# KiCad board haptic display 8x8 aisler.kicad_pcb (continued)
## Routing (per net, layer and track width the routed paths; a pad name or vN(x,y) marks a point on that pad's centre or on a via; arc(x,y) is an arc through that point) (continued)
32.95,68.55 33.22,68.69 33.51,68.81 33.8,68.91 34.09,68.98 34.39,69.04 34.7,69.07 35,69.08 35.3,69.06 35.61,69.02 35.9,68.96 36.2,68.88 36.48,68.78 36.76,68.66 37.03,68.51 37.28,68.35 37.52,68.17 37.75,67.97 37.96,67.75 38.16,67.52 38.33,67.27 38.49,67.02 38.63,66.75 38.75,66.47 38.85,66.19 38.92,65.89 38.97,65.6 39,65.3 39.01,65 39,64.7 38.96,64.4 38.9,64.11 38.82,63.82 38.72,63.54 38.6,63.27 38.46,63 38.3,62.75 38.12,62.51 37.92,62.29 37.71,62.08 37.48,61.89 37.24,61.72 36.99,61.56 36.72,61.43 36.45,61.31 36.17,61.21 35.88,61.14 35.59,61.09 35.3,61.06 35,61.05 34.69,61.07 34.38,61.1 34.08,61.17 33.78,61.26 33.49,61.37 33.22,61.5 32.95,61.65 32.69,61.82 32.45,62.02 32.23,62.23 32.02,62.46 31.83,62.7 31.67,62.96 31.52,63.23 31.39,63.51 31.29,63.79 31.21,64.09 31.15,64.39 31.12,64.69 31.11,65 31.13,65.3 31.17,65.61 31.23,65.91 31.31,66.2 31.42,66.48 31.55,66.76 31.7,67.02 31.88,67.27 32.07,67.51 32.27,67.73 32.5,67.93 32.74,68.11 32.99,68.28 33.25,68.42 33.53,68.55 33.81,68.65 34.1,68.73 34.4,68.78 34.7,68.82 35,68.83 35.3,68.81 35.6,68.77 35.89,68.71 36.18,68.63 36.46,68.52 36.73,68.39 36.99,68.24 37.23,68.07 37.47,67.89 37.68,67.68 37.88,67.46 38.06,67.23 38.23,66.98 38.37,66.72 38.49,66.45 38.59,66.17 38.67,65.88 38.72,65.59 38.75,65.3 38.76,65 38.75,64.71 38.71,64.41 38.65,64.12 38.57,63.84 38.46,63.57 38.34,63.3 38.19,63.05 38.02,62.8 37.84,62.57 37.64,62.36 37.42,62.17 37.19,61.99 36.94,61.83 36.69,61.69 36.42,61.57 36.15,61.47 35.87,61.39 35.58,61.34 35.29,61.31 35,61.3 34.69,61.32 34.39,61.36 34.09,61.42 33.8,61.51 33.52,61.63 33.25,61.76 32.99,61.92 32.74,62.1 32.51,62.3 32.3,62.52 32.11,62.75 31.94,63 31.78,63.26 31.65,63.53 31.55,63.81 31.46,64.1 31.41,64.4 31.37,64.7 31.36,65 31.38,65.3 31.42,65.6 31.48,65.89 31.57,66.18 31.68,66.45 31.82,66.72 31.97,66.98 32.15,67.22 32.35,67.44 32.56,67.65 32.79,67.84 33.03,68.01 33.29,68.16 33.56,68.29 33.83,68.39 34.12,68.48 34.41,68.53 34.7,68.57 35,68.58 35.29,68.56 35.59,68.52 35.88,68.46 36.16,68.37 36.43,68.26 36.69,68.13 36.94,67.97 37.18,67.8 37.4,67.61 37.61,67.4 37.79,67.17 37.96,66.93 38.11,66.68 38.23,66.42 38.33,66.14 38.41,65.86 38.47,65.58 38.5,65.29 38.51,65 38.5,64.71 38.46,64.42 38.4,64.14 38.31,63.86 38.2,63.6 38.07,63.34 37.92,63.09 37.75,62.86 37.56,62.64 37.36,62.44 37.14,62.26 36.9,62.09 36.65,61.95 36.39,61.83 36.12,61.72 35.85,61.65 35.57,61.59 35.29,61.56 35,61.55 34.7,61.57 34.4,61.61 34.11,61.68 33.82,61.77 33.55,61.89 33.29,62.03 33.04,62.19 32.8,62.38 32.58,62.58 32.38,62.8 32.21,63.04 32.05,63.3 31.91,63.56 31.8,63.84 31.72,64.12 31.66,64.41 31.62,64.7 31.61,65 31.63,65.29 31.67,65.59 31.74,65.87 31.83,66.15 31.95,66.42 32.08,66.68 32.25,66.93 32.43,67.16 32.63,67.37 32.84,67.57 33.08,67.74 33.33,67.9 33.59,68.03 33.86,68.14 34.14,68.22 34.42,68.28 34.71,68.32 35,68.33 35.29,68.31 35.58,68.27 35.86,68.2 36.13,68.11 36.4,68 36.65,67.86 36.89,67.7 37.12,67.53 37.33,67.33 37.52,67.11 37.69,66.89 37.84,66.64 37.97,66.39 38.08,66.12 38.16,65.85 38.22,65.57 38.25,65.28 38.26,65 38.25,64.72 38.21,64.43 38.14,64.16 38.05,63.89 37.94,63.63 37.81,63.38 37.65,63.14 37.48,62.92 37.28,62.72 37.07,62.53 36.85,62.36 36.61,62.21 36.36,62.08 36.1,61.98 35.83,61.9 35.56,61.84 35.28,61.81 35,61.8 34.71,61.82 34.41,61.86 34.13,61.93 33.85,62.03 33.58,62.15 33.33,62.3 33.09,62.47 32.86,62.66 32.66,62.87 32.48,63.09 32.31,63.34 32.17,63.59 32.06,63.86 31.97,64.14 31.91,64.42 31.87,64.71 31.86,65 31.88,65.29 31.92,65.58 31.99,65.86 32.09,66.13 32.21,66.39 32.35,66.64 32.52,66.88 32.7,67.09 32.91,67.29 33.13,67.47 33.37,67.63 33.62,67.77 33.88,67.88 34.16,67.97 34.43,68.03 34.72,68.07 35,68.08 35.28,68.06 35.56,68.02 35.84,67.95 36.11,67.85 36.36,67.74 36.61,67.6 36.84,67.43 37.05,67.25 37.25,67.05 37.42,66.83 37.58,66.6 37.71,66.35 37.82,66.09 37.91,65.83 37.97,65.55 38,65.28 38.01,65 38,64.72 37.95,64.45 37.89,64.18 37.8,63.92 37.68,63.67 37.54,63.43 37.38,63.2 37.2,62.99 37.01,62.8 36.79,62.63 36.56,62.47 36.32,62.34 36.07,62.24 35.81,62.15 35.54,62.09 35.27,62.06 35,62.05 34.71,62.07 34.43,62.11 34.15,62.19 33.88,62.29 33.62,62.42 33.37,62.57 33.15,62.74 32.94,62.94 32.75,63.15 32.58,63.38 32.44,63.63 32.32,63.89 32.23,64.16 32.16,64.44 32.12,64.72 32.11,65 32.13,65.28 32.18,65.56 32.25,65.83 32.35,66.1 32.47,66.35 32.62,66.59 32.79,66.81 32.98,67.02 33.19,67.2 33.42,67.37 33.66,67.51 33.91,67.62 34.18,67.71 34.45,67.78 34.72,67.82 35,67.83 35.28,67.81 35.55,67.76 35.82,67.69 36.08,67.6 36.32,67.47 36.56,67.33 36.77,67.16 36.98,66.98 37.16,66.77 37.32,66.55 37.45,66.31 37.57,66.06 37.65,65.81 37.72,65.54 37.75,65.27 37.76,65 37.75,64.73 37.7,64.46 37.63,64.2 37.54,63.95 37.42,63.71 37.28,63.48 37.11,63.26 36.93,63.07 36.73,62.89 36.51,62.74 36.28,62.6 36.04,62.49 35.79,62.41 35.53,62.34 35.27,62.31 35,62.3 34.72,62.32 34.44,62.37 34.17,62.44 33.91,62.55 33.66,62.68 33.43,62.84 33.21,63.02 33.02,63.22 32.85,63.44 32.7,63.67 32.58,63.92 32.48,64.18 32.41,64.45 32.37,64.72 32.36,65 32.38,65.28 32.43,65.55 32.5,65.81 32.61,66.07 32.73,66.31 32.89,66.54 33.06,66.75 33.26,66.94 33.47,67.1 33.7,67.25 33.95,67.37 34.2,67.46 34.46,67.53 34.73,67.57 35,67.58 35.27,67.56 35.53,67.51 35.79,67.44 36.04,67.34 36.28,67.21 36.5,67.06 36.7,66.89 36.89,66.7 37.05,66.49 37.19,66.27 37.31,66.03 37.4,65.78 37.47,65.52 37.5,65.26 37.51,65 37.49,64.74 37.45,64.48 37.38,64.23 37.28,63.98 37.16,63.75 37.01,63.54 36.85,63.34 36.66,63.16 36.45,63 36.24,62.86 36,62.75 35.76,62.66 35.51,62.6 35.26,62.56 35,62.55 34.73,62.57 34.46,62.62 34.2,62.7 33.94,62.81 33.71,62.94 33.49,63.11 33.29,63.29 33.11,63.49 32.96,63.72 32.83,63.96 32.73,64.21 32.66,64.47 32.62,64.73 32.61,65 32.63,65.27 32.68,65.53 32.76,65.78 32.87,66.03 33,66.26 33.15,66.47 33.33,66.67 33.53,66.84 33.75,66.99 33.98,67.11 34.23,67.21 34.48,67.28 34.74,67.31 35,67.33 35.26,67.31 35.52,67.26 35.76,67.18 36,67.08 36.23,66.95 36.43,66.8 36.62,66.62 36.79,66.43 36.93,66.22 37.05,65.99 37.15,65.75 37.21,65.51 37.25,65.25 37.26,65 37.24,64.75 37.2,64.5 37.12,64.26 37.02,64.03 36.9,63.81 36.75,63.61 36.58,63.42 36.39,63.26 36.18,63.12 35.96,63 35.73,62.91 35.49,62.85 35.25,62.81 35,62.8 34.74,62.82 34.48,62.87 34.22,62.96 33.99,63.07 33.76,63.21 33.56,63.37 33.38,63.56 33.22,63.77 33.09,64 32.99,64.24 32.92,64.49 32.87,64.74 32.86,65 32.88,65.26 32.93,65.51 33.01,65.75 33.12,65.98 33.26,66.2 33.42,66.4 33.6,66.57 33.81,66.73 34.03,66.85 34.26,66.95 34.5,67.02 34.75,67.06 35,67.08 35.25,67.06 35.49,67.01 35.73,66.93 35.96,66.82 36.17,66.69 36.36,66.53 36.53,66.35 36.68,66.16 36.8,65.94 36.9,65.72 36.96,65.48 37,65.24 37.01,65 36.99,64.76 36.94,64.52 36.87,64.29 36.76,64.07 36.64,63.87 36.48,63.68 36.31,63.52 36.12,63.38 35.92,63.26 35.7,63.16 35.47,63.1 35.24,63.06 35,63.05 34.75,63.07 34.5,63.13 34.26,63.21 34.04,63.33 33.83,63.47 33.64,63.64 33.48,63.84 33.35,64.05 33.24,64.27 33.17,64.51 33.12,64.75 33.11,65 33.13,65.25 33.19,65.49 33.27,65.72 33.38,65.93 33.52,66.13 33.69,66.31 33.87,66.47 34.08,66.6 34.3,66.7 34.52,66.77 34.76,66.81 35,66.83 35.24,66.8 35.47,66.75 35.69,66.67 35.9,66.56 36.1,66.43 36.27,66.27 36.42,66.09 36.54,65.89 36.64,65.68 36.71,65.46 36.75,65.23 36.76,65 36.74,64.77 36.69,64.55 36.61,64.33 36.51,64.13 36.38,63.94 36.22,63.78 36.05,63.63 35.86,63.51 35.66,63.41 35.44,63.35 35.22,63.31 35,63.3 34.76,63.32 34.52,63.38 34.3,63.47 34.09,63.59 33.91,63.74 33.74,63.91 33.6,64.1 33.49,64.31 33.42,64.54 33.37,64.77 33.36,65 33.38,65.23 33.44,65.46 33.53,65.67 33.64,65.87 33.78,66.05 33.95,66.21 34.14,66.34 34.34,66.45 34.55,66.52 34.78,66.56 35,66.58 35.22,66.55 35.44,66.5 35.65,66.42 35.84,66.31 36.01,66.17 36.16,66.01 36.29,65.83 36.39,65.64 36.46,65.43 36.5,65.22 36.51,65 36.49,64.79 36.44,64.58 36.36,64.38 36.25,64.19 36.12,64.03 35.97,63.88 35.8,63.76 35.61,63.67 35.41,63.6 35.21,63.56 35,63.55 35,63.6 34.63,63.97 34.59,63.98 ; v1(35.35,45) 35,45.35 35,45.55 34.68,45.56 34.37,45.6 34.06,45.66 33.75,45.74 33.45,45.84 33.16,45.97 32.88,46.11 32.61,46.28 32.35,46.46 32.1,46.66 31.88,46.88 31.66,47.11 31.47,47.36 31.29,47.62 31.13,47.89 30.99,48.17 30.88,48.46 30.78,48.76 30.7,49.07 30.65,49.37 30.62,49.69 30.61,50 30.63,50.31 30.66,50.62 30.72,50.93 30.8,51.23 30.9,51.53 31.02,51.82 31.17,52.09 31.33,52.36 31.51,52.61 31.71,52.85 31.92,53.08 32.15,53.29 32.39,53.48 32.65,53.66 32.92,53.81 33.2,53.95 33.48,54.07 33.78,54.16 34.08,54.23 34.38,54.29 34.69,54.32 35,54.33 35.31,54.31 35.61,54.28 35.92,54.22 36.22,54.14 36.51,54.04 36.79,53.92 37.06,53.78 37.33,53.62 37.58,53.44 37.81,53.25 38.04,53.04 38.24,52.81 38.43,52.57 38.6,52.32 38.76,52.05 38.89,51.78 39.01,51.49 39.1,51.2 39.17,50.91 39.22,50.61 39.25,50.3 39.26,50 39.25,49.7 39.21,49.39 39.16,49.1 39.08,48.8 38.98,48.52 38.86,48.24 38.72,47.97 38.57,47.71 38.39,47.46 38.2,47.23 37.99,47.01 37.77,46.8 37.53,46.62 37.28,46.45 37.02,46.3 36.75,46.16 36.47,46.05 36.19,45.96 35.89,45.89 35.6,45.84 35.3,45.81 35,45.8 34.69,45.81 34.37,45.85 34.07,45.91 33.77,46 33.47,46.1 33.19,46.23 32.91,46.38 32.65,46.55 32.4,46.74 32.16,46.94 31.95,47.17 31.74,47.4 31.56,47.66 31.4,47.92 31.26,48.2 31.13,48.48 31.03,48.78 30.96,49.08 30.9,49.38 30.87,49.69 30.86,50 30.88,50.31 30.91,50.62 30.97,50.92 31.06,51.22 31.16,51.51 31.29,51.79 31.43,52.06 31.6,52.32 31.79,52.56 31.99,52.79 32.21,53.01 32.44,53.21 32.69,53.39 32.95,53.55 33.22,53.69 33.51,53.81 33.8,53.91 34.09,53.98 34.39,54.04 34.7,54.07 35,54.08 35.3,54.06 35.61,54.02 35.9,53.96 36.2,53.88 36.48,53.78 36.76,53.66 37.03,53.51 37.28,53.35 37.52,53.17 37.75,52.97 37.96,52.75 38.16,52.52 38.33,52.27 38.49,52.02 38.63,51.75 38.75,51.47 38.85,51.19 38.92,50.89 38.97,50.6 39,50.3 39.01,50 39,49.7 38.96,49.4 38.9,49.11 38.82,48.82 38.72,48.54 38.6,48.27 38.46,48 38.3,47.75 38.12,47.51 37.92,47.29 37.71,47.08 37.48,46.89 37.24,46.72 36.99,46.56 36.72,46.43 36.45,46.31 36.17,46.21 35.88,46.14 35.59,46.09 35.3,46.06 35,46.05 34.69,46.07 34.38,46.1 34.08,46.17 33.78,46.26 33.49,46.37 33.22,46.5 32.95,46.65 32.69,46.82 32.45,47.02 32.23,47.23 32.02,47.46 31.83,47.7 31.67,47.96 31.52,48.23 31.39,48.51 31.29,48.79 31.21,49.09 31.15,49.39 31.12,49.69 31.11,50 31.13,50.3 31.17,50.61 31.23,50.91 31.31,51.2 31.42,51.48 31.55,51.76 31.7,52.02 31.88,52.27 32.07,52.51 32.27,52.73 32.5,52.93 32.74,53.11 32.99,53.28 33.25,53.42 33.53,53.55 33.81,53.65 34.1,53.73 34.4,53.78 34.7,53.82 35,53.83 35.3,53.81 35.6,53.77 35.89,53.71 36.18,53.63 36.46,53.52 36.73,53.39 36.99,53.24 37.23,53.07 37.47,52.89 37.68,52.68 37.88,52.46 38.06,52.23 38.23,51.98 38.37,51.72 38.49,51.45 38.59,51.17 38.67,50.88 38.72,50.59 38.75,50.3 38.76,50 38.75,49.71 38.71,49.41 38.65,49.12 38.57,48.84 38.46,48.57 38.34,48.3 38.19,48.05 38.02,47.8 37.84,47.57 37.64,47.36 37.42,47.17 37.19,46.99 36.94,46.83 36.69,46.69 36.42,46.57 36.15,46.47 35.87,46.39 35.58,46.34 35.29,46.31 35,46.3 34.69,46.32 34.39,46.36 34.09,46.42 33.8,46.51 33.52,46.63 33.25,46.76 32.99,46.92 32.74,47.1 32.51,47.3 32.3,47.52 32.11,47.75 31.94,48 31.78,48.26 31.65,48.53 31.55,48.81 31.46,49.1 31.41,49.4 31.37,49.7 31.36,50 31.38,50.3 31.42,50.6 31.48,50.89 31.57,51.18 31.68,51.45 31.82,51.72 31.97,51.98 32.15,52.22 32.35,52.44 32.56,52.65 32.79,52.84 33.03,53.01 33.29,53.16 33.56,53.29 33.83,53.39 34.12,53.48 34.41,53.53 34.7,53.57 35,53.58 35.29,53.56 35.59,53.52 35.88,53.46 36.16,53.37 36.43,53.26 36.69,53.13 36.94,52.97 37.18,52.8 37.4,52.61 37.61,52.4 37.79,52.17 37.96,51.93 38.11,51.68 38.23,51.42 38.33,51.14 38.41,50.86 38.47,50.58 38.5,50.29 38.51,50 38.5,49.71 38.46,49.42 38.4,49.14 38.31,48.86 38.2,48.6 38.07,48.34 37.92,48.09 37.75,47.86 37.56,47.64 37.36,47.44 37.14,47.26 36.9,47.09 36.65,46.95 36.39,46.83 36.12,46.72 35.85,46.65 35.57,46.59 35.29,46.56 35,46.55 34.7,46.57 34.4,46.61 34.11,46.68 33.82,46.77 33.55,46.89 33.29,47.03 33.04,47.19 32.8,47.38 32.58,47.58 32.38,47.8 32.21,48.04 32.05,48.3 31.91,48.56 31.8,48.84 31.72,49.12 31.66,49.41 31.62,49.7 31.61,50 31.63,50.29 31.67,50.59 31.74,50.87 31.83,51.15 31.95,51.42 32.08,51.68 32.25,51.93 32.43,52.16 32.63,52.37 32.84,52.57 33.08,52.74 33.33,52.9 33.59,53.03 33.86,53.14 34.14,53.22 34.42,53.28 34.71,53.32 35,53.33 35.29,53.31 35.58,53.27 35.86,53.2 36.13,53.11 36.4,53 36.65,52.86 36.89,52.7 37.12,52.53 37.33,52.33 37.52,52.11 37.69,51.89 37.84,51.64 37.97,51.39 38.08,51.12 38.16,50.85 38.22,50.57 38.25,50.28 38.26,50 38.25,49.72 38.21,49.43 38.14,49.16 38.05,48.89 37.94,48.63 37.81,48.38 37.65,48.14 37.48,47.92 37.28,47.72 37.07,47.53 36.85,47.36 36.61,47.21 36.36,47.08 36.1,46.98 35.83,46.9 35.56,46.84 35.28,46.81 35,46.8 34.71,46.82 34.41,46.86 34.13,46.93 33.85,47.03 33.58,47.15 33.33,47.3 33.09,47.47 32.86,47.66 32.66,47.87 32.48,48.09 32.31,48.34 32.17,48.59 32.06,48.86 31.97,49.14 31.91,49.42 31.87,49.71 31.86,50 31.88,50.29 31.92,50.58 31.99,50.86 32.09,51.13 32.21,51.39 32.35,51.64 32.52,51.88 32.7,52.09 32.91,52.29 33.13,52.47 33.37,52.63 33.62,52.77 33.88,52.88 34.16,52.97 34.43,53.03 34.72,53.07 35,53.08 35.28,53.06 35.56,53.02 35.84,52.95 36.11,52.85 36.36,52.74 36.61,52.6 36.84,52.43 37.05,52.25 37.25,52.05 37.42,51.83 37.58,51.6 37.71,51.35 37.82,51.09 37.91,50.83 37.97,50.55 38,50.28 38.01,50 38,49.72 37.95,49.45 37.89,49.18 37.8,48.92 37.68,48.67 37.54,48.43 37.38,48.2 37.2,47.99 37.01,47.8 36.79,47.63 36.56,47.47 36.32,47.34 36.07,47.24 35.81,47.15 35.54,47.09 35.27,47.06 35,47.05 34.71,47.07 34.43,47.11 34.15,47.19 33.88,47.29 33.62,47.42 33.37,47.57 33.15,47.74 32.94,47.94 32.75,48.15 32.58,48.38 32.44,48.63 32.32,48.89 32.23,49.16 32.16,49.44 32.12,49.72 32.11,50 32.13,50.28 32.18,50.56 32.25,50.83 32.35,51.1 32.47,51.35 32.62,51.59 32.79,51.81 32.98,52.02 33.19,52.2 33.42,52.37 33.66,52.51 33.91,52.62 34.18,52.71 34.45,52.78 34.72,52.82 35,52.83 35.28,52.81 35.55,52.76 35.82,52.69 36.08,52.6 36.32,52.47 36.56,52.33 36.77,52.16 36.98,51.98 37.16,51.77 37.32,51.55 37.45,51.31 37.57,51.06 37.65,50.81 37.72,50.54 37.75,50.27 37.76,50 37.75,49.73 37.7,49.46 37.63,49.2 37.54,48.95 37.42,48.71 37.28,48.48 37.11,48.26 36.93,48.07 36.73,47.89 36.51,47.74 36.28,47.6 36.04,47.49 35.79,47.41 35.53,47.34 35.27,47.31 35,47.3 34.72,47.32 34.44,47.37 34.17,47.44 33.91,47.55 33.66,47.68 33.43,47.84 33.21,48.02 33.02,48.22 32.85,48.44 32.7,48.67 32.58,48.92 32.48,49.18 32.41,49.45 32.37,49.72 32.36,50 32.38,50.28 32.43,50.55 32.5,50.81 32.61,51.07 32.73,51.31 32.89,51.54 33.06,51.75 33.26,51.94 33.47,52.1 33.7,52.25 33.95,52.37 34.2,52.46 34.46,52.53 34.73,52.57 35,52.58 35.27,52.56 35.53,52.51 35.79,52.44 36.04,52.34 36.28,52.21 36.5,52.06 36.7,51.89 36.89,51.7 37.05,51.49 37.19,51.27 37.31,51.03 37.4,50.78 37.47,50.52 37.5,50.26 37.51,50 37.49,49.74 37.45,49.48 37.38,49.23 37.28,48.98 37.16,48.75 37.01,48.54 36.85,48.34 36.66,48.16 36.45,48 36.24,47.86 36,47.75 35.76,47.66 35.51,47.6 35.26,47.56 35,47.55 34.73,47.57 34.46,47.62 34.2,47.7 33.94,47.81 33.71,47.94 33.49,48.11 33.29,48.29 33.11,48.49 32.96,48.72 32.83,48.96 32.73,49.21 32.66,49.47 32.62,49.73 32.61,50 32.63,50.27 32.68,50.53 32.76,50.78 32.87,51.03 33,51.26 33.15,51.47 33.33,51.67 33.53,51.84 33.75,51.99 33.98,52.11 34.23,52.21 34.48,52.28 34.74,52.31 35,52.33 35.26,52.31 35.52,52.26 35.76,52.18 36,52.08 36.23,51.95 36.43,51.8 36.62,51.62 36.79,51.43 36.93,51.22 37.05,50.99 37.15,50.75 37.21,50.51 37.25,50.25 37.26,50 37.24,49.75 37.2,49.5 37.12,49.26 37.02,49.03 36.9,48.81 36.75,48.61 36.58,48.42 36.39,48.26 36.18,48.12 35.96,48 35.73,47.91 35.49,47.85 35.25,47.81 35,47.8 34.74,47.82 34.48,47.87 34.22,47.96 33.99,48.07 33.76,48.21 33.56,48.37 33.38,48.56 33.22,48.77 33.09,49 32.99,49.24 32.92,49.49 32.87,49.74 32.86,50 32.88,50.26 32.93,50.51 33.01,50.75 33.12,50.98 33.26,51.2 33.42,51.4 33.6,51.57 33.81,51.73 34.03,51.85 34.26,51.95 34.5,52.02 34.75,52.06 35,52.08 35.25,52.06 35.49,52.01 35.73,51.93 35.96,51.82 36.17,51.69 36.36,51.53 36.53,51.35 36.68,51.16 36.8,50.94 36.9,50.72 36.96,50.48 37,50.24 37.01,50 36.99,49.76 36.94,49.52 36.87,49.29 36.76,49.07 36.64,48.87 36.48,48.68 36.31,48.52 36.12,48.38 35.92,48.26 35.7,48.16 35.47,48.1 35.24,48.06 35,48.05 34.75,48.07 34.5,48.13 34.26,48.21 34.04,48.33 33.83,48.47 33.64,48.64 33.48,48.84 33.35,49.05 33.24,49.27 33.17,49.51 33.12,49.75 33.11,50 33.13,50.25 33.19,50.49 33.27,50.72 33.38,50.93 33.52,51.13 33.69,51.31 33.87,51.47 34.08,51.6 34.3,51.7 34.52,51.77 34.76,51.81 35,51.83 35.24,51.8 35.47,51.75 35.69,51.67 35.9,51.56 36.1,51.43 36.27,51.27 36.42,51.09 36.54,50.89 36.64,50.68 36.71,50.46 36.75,50.23 36.76,50 36.74,49.77 36.69,49.55 36.61,49.33 36.51,49.13 36.38,48.94 36.22,48.78 36.05,48.63 35.86,48.51 35.66,48.41 35.44,48.35 35.22,48.31 35,48.3 34.76,48.32 34.52,48.38 34.3,48.47 34.09,48.59 33.91,48.74 33.74,48.91 33.6,49.1 33.49,49.31 33.42,49.54 33.37,49.77 33.36,50 33.38,50.23 33.44,50.46 33.53,50.67 33.64,50.87 33.78,51.05 33.95,51.21 34.14,51.34 34.34,51.45 34.55,51.52 34.78,51.56 35,51.58 35.22,51.55 35.44,51.5 35.65,51.42 35.84,51.31 36.01,51.17 36.16,51.01 36.29,50.83 36.39,50.64 36.46,50.43 36.5,50.22 36.51,50 36.49,49.79 36.44,49.58 36.36,49.38 36.25,49.19 36.12,49.03 35.97,48.88 35.8,48.76 35.61,48.67 35.41,48.6 35.21,48.56 35,48.55 35,48.6 34.63,48.97 34.59,48.98 ; v1(35.35,30) 35,30.35 35,30.55 34.68,30.56 34.37,30.6 34.06,30.66 33.75,30.74 33.45,30.84 33.16,30.97 32.88,31.11 32.61,31.28 32.35,31.46 32.1,31.66 31.88,31.88 31.66,32.11 31.47,32.36 31.29,32.62 31.13,32.89 30.99,33.17 30.88,33.46 30.78,33.76 30.7,34.07 30.65,34.37 30.62,34.69 30.61,35 30.63,35.31 30.66,35.62 30.72,35.93 30.8,36.23 30.9,36.53 31.02,36.82 31.17,37.09 31.33,37.36 31.51,37.61 31.71,37.85 31.92,38.08 32.15,38.29 32.39,38.48 32.65,38.66 32.92,38.81 33.2,38.95 33.48,39.07 33.78,39.16 34.08,39.23 34.38,39.29 34.69,39.32 35,39.32 35.31,39.31 35.61,39.28 35.92,39.22 36.22,39.14 36.51,39.04 36.79,38.92 37.06,38.78 37.33,38.62 37.58,38.44 37.81,38.25 38.04,38.04 38.24,37.81 38.43,37.57 38.6,37.32 38.76,37.05 38.89,36.78 39.01,36.49 39.1,36.2 39.17,35.91 39.22,35.61 39.25,35.3 39.26,35 39.25,34.7 39.21,34.39 39.16,34.1 39.08,33.8 38.98,33.52 38.86,33.24 38.72,32.97 38.57,32.71 38.39,32.46 38.2,32.23 37.99,32.01 37.77,31.8 37.53,31.62 37.28,31.45 37.02,31.3 36.75,31.16 36.47,31.05 36.19,30.96 35.89,30.89 35.6,30.84 35.3,30.81 35,30.8 34.69,30.81 34.37,30.85 34.07,30.91 33.77,31 33.47,31.1 33.19,31.23 32.91,31.38 32.65,31.55 32.4,31.74 32.16,31.94 31.95,32.17 31.74,32.4 31.56,32.66 31.4,32.92 31.26,33.2 31.13,33.48 31.03,33.78 30.96,34.08 30.9,34.38 30.87,34.69 30.86,35 30.88,35.31 30.91,35.62 30.97,35.92 31.06,36.22 31.16,36.51 31.29,36.79 31.43,37.06 31.6,37.32 31.79,37.56 31.99,37.79 32.21,38.01 32.44,38.21 32.69,38.39 32.95,38.55 33.22,38.69 33.51,38.81 33.8,38.91 34.09,38.98 34.39,39.04 34.7,39.07 35,39.07 35.3,39.06 35.61,39.02 35.9,38.96 36.2,38.88 36.48,38.78 36.76,38.66 37.03,38.51 37.28,38.35 37.52,38.17 37.75,37.97 37.96,37.75 38.16,37.52 38.33,37.27 38.49,37.02 38.63,36.75 38.75,36.47 38.85,36.19 38.92,35.89 38.97,35.6 39,35.3 39.01,35 39,34.7 38.96,34.4 38.9,34.11 38.82,33.82 38.72,33.54 38.6,33.27 38.46,33 38.3,32.75 38.12,32.51 37.92,32.29 37.71,32.08 37.48,31.89 37.24,31.72 36.99,31.56 36.72,31.43 36.45,31.31 36.17,31.21 35.88,31.14 35.59,31.09 35.3,31.06 35,31.05 34.69,31.07 34.38,31.1 34.08,31.17 33.78,31.26 33.49,31.37 33.22,31.5 32.95,31.65 32.69,31.82 32.45,32.02 32.23,32.23 32.02,32.46 31.83,32.7 31.67,32.96 31.52,33.23 31.39,33.51 31.29,33.79 31.21,34.09 31.15,34.39 31.12,34.69 31.11,35 31.13,35.3 31.17,35.61 31.23,35.91 31.31,36.2 31.42,36.48 31.55,36.76 31.7,37.02 31.88,37.27 32.07,37.51 32.27,37.73 32.5,37.93 32.74,38.11 32.99,38.28 33.25,38.42 33.53,38.55 33.81,38.65 34.1,38.73 34.4,38.78 34.7,38.82 35,38.82 35.3,38.81 35.6,38.77 35.89,38.71 36.18,38.63 36.46,38.52 36.73,38.39 36.99,38.24 37.23,38.07 37.47,37.89 37.68,37.68 37.88,37.46 38.06,37.23 38.23,36.98 38.37,36.72 38.49,36.45 38.59,36.17 38.67,35.88 38.72,35.59 38.75,35.3 38.76,35 38.75,34.71 38.71,34.41 38.65,34.12 38.57,33.84 38.46,33.57 38.34,33.3 38.19,33.05 38.02,32.8 37.84,32.57 37.64,32.36 37.42,32.17 37.19,31.99 36.94,31.83 36.69,31.69 36.42,31.57 36.15,31.47 35.87,31.39 35.58,31.34 35.29,31.31 35,31.3 34.69,31.32 34.39,31.36 34.09,31.42 33.8,31.51 33.52,31.63 33.25,31.76 32.99,31.92 32.74,32.1 32.51,32.3 32.3,32.52 32.11,32.75 31.94,33 31.78,33.26 31.65,33.53 31.55,33.81 31.46,34.1 31.41,34.4 31.37,34.7 31.36,35 31.38,35.3 31.42,35.6 31.48,35.89 31.57,36.18 31.68,36.45 31.82,36.72 31.97,36.98 32.15,37.22 32.35,37.44 32.56,37.65 32.79,37.84 33.03,38.01 33.29,38.16 33.56,38.29 33.83,38.39 34.12,38.48 34.41,38.53 34.7,38.57 35,38.57 35.29,38.56 35.59,38.52 35.88,38.46 36.16,38.37 36.43,38.26 36.69,38.13 36.94,37.97 37.18,37.8 37.4,37.61 37.61,37.4 37.79,37.17 37.96,36.93 38.11,36.68 38.23,36.42 38.33,36.14 38.41,35.86 38.47,35.58 38.5,35.29 38.51,35 38.5,34.71 38.46,34.42 38.4,34.14 38.31,33.86 38.2,33.6 38.07,33.34 37.92,33.09 37.75,32.86 37.56,32.64 37.36,32.44 37.14,32.26 36.9,32.09 36.65,31.95 36.39,31.83 36.12,31.72 35.85,31.65 35.57,31.59 35.29,31.56 35,31.55 34.7,31.57 34.4,31.61 34.11,31.68 33.82,31.77 33.55,31.89 33.29,32.03 33.04,32.19 32.8,32.38 32.58,32.58 32.38,32.8 32.21,33.04 32.05,33.3 31.91,33.56 31.8,33.84 31.72,34.12 31.66,34.41 31.62,34.7 31.61,35 31.63,35.29 31.67,35.59 31.74,35.87 31.83,36.15 31.95,36.42 32.08,36.68 32.25,36.93 32.43,37.16 32.63,37.37 32.84,37.57 33.08,37.74 33.33,37.9 33.59,38.03 33.86,38.14 34.14,38.22 34.42,38.28 34.71,38.32 35,38.32 35.29,38.31 35.58,38.27 35.86,38.2 36.13,38.11 36.4,38 36.65,37.86 36.89,37.7 37.12,37.53 37.33,37.33 37.52,37.11 37.69,36.89 37.84,36.64 37.97,36.39 38.08,36.12 38.16,35.85 38.22,35.57 38.25,35.28 38.26,35 38.25,34.72 38.21,34.43 38.14,34.16 38.05,33.89 37.94,33.63 37.81,33.38 37.65,33.14 37.48,32.92 37.28,32.72 37.07,32.53 36.85,32.36 36.61,32.21 36.36,32.08 36.1,31.98 35.83,31.9 35.56,31.84 35.28,31.81 35,31.8 34.71,31.82 34.41,31.86 34.13,31.93 33.85,32.03 33.58,32.15 33.33,32.3 33.09,32.47 32.86,32.66 32.66,32.87 32.48,33.09 32.31,33.34 32.17,33.59 32.06,33.86 31.97,34.14 31.91,34.42 31.87,34.71 31.86,35 31.88,35.29 31.92,35.58 31.99,35.86 32.09,36.13 32.21,36.39 32.35,36.64 32.52,36.88 32.7,37.09 32.91,37.29 33.13,37.47 33.37,37.63 33.62,37.77 33.88,37.88 34.16,37.97 34.43,38.03 34.72,38.07 35,38.07 35.28,38.06 35.56,38.02 35.84,37.95 36.11,37.85 36.36,37.74 36.61,37.6 36.84,37.43 37.05,37.25 37.25,37.05 37.42,36.83 37.58,36.6 37.71,36.35 37.82,36.09 37.91,35.83 37.97,35.55 38,35.28 38.01,35 38,34.72 37.95,34.45 37.89,34.18 37.8,33.92 37.68,33.67 37.54,33.43 37.38,33.2 37.2,32.99 37.01,32.8 36.79,32.63 36.56,32.47 36.32,32.34 36.07,32.24 35.81,32.15 35.54,32.09 35.27,32.06 35,32.05 34.71,32.07 34.43,32.11 34.15,32.19 33.88,32.29 33.62,32.42 33.37,32.57 33.15,32.74 32.94,32.94 32.75,33.15 32.58,33.38 32.44,33.63 32.32,33.89 32.23,34.16 32.16,34.44 32.12,34.72 32.11,35 32.13,35.28 32.18,35.56 32.25,35.83 32.35,36.1 32.47,36.35 32.62,36.59 32.79,36.81 32.98,37.02 33.19,37.2 33.42,37.37 33.66,37.51 33.91,37.62 34.18,37.71 34.45,37.78 34.72,37.82 35,37.82 35.28,37.81 35.55,37.76 35.82,37.69 36.08,37.6 36.32,37.47 36.56,37.33 36.77,37.16 36.98,36.98 37.16,36.77 37.32,36.55 37.45,36.31 37.57,36.06 37.65,35.81 37.72,35.54 37.75,35.27 37.76,35 37.75,34.73 37.7,34.46 37.63,34.2 37.54,33.95 37.42,33.71 37.28,33.48 37.11,33.26 36.93,33.07 36.73,32.89 36.51,32.74 36.28,32.6 36.04,32.49 35.79,32.41 35.53,32.34 35.27,32.31 35,32.3 34.72,32.32 34.44,32.37 34.17,32.44 33.91,32.55 33.66,32.68 33.43,32.84 33.21,33.02 33.02,33.22 32.85,33.44 32.7,33.67 32.58,33.92 32.48,34.18 32.41,34.45 32.37,34.72 32.36,35 32.38,35.28 32.43,35.55 32.5,35.81 32.61,36.07 32.73,36.31 32.89,36.54 33.06,36.75 33.26,36.94 33.47,37.1 33.7,37.25 33.95,37.37 34.2,37.46 34.46,37.53 34.73,37.57 35,37.57 35.27,37.56 35.53,37.51 35.79,37.44 36.04,37.34 36.28,37.21 36.5,37.06 36.7,36.89 36.89,36.7 37.05,36.49 37.19,36.27 37.31,36.03 37.4,35.78 37.47,35.52 37.5,35.26 37.51,35 37.49,34.74 37.45,34.48 37.38,34.23 37.28,33.98 37.16,33.75 37.01,33.54 36.85,33.34 36.66,33.16 36.45,33 36.24,32.86 36,32.75 35.76,32.66 35.51,32.6 35.26,32.56 35,32.55 34.73,32.57 34.46,32.62 34.2,32.7 33.94,32.81 33.71,32.94 33.49,33.11 33.29,33.29 33.11,33.49 32.96,33.72 32.83,33.96 32.73,34.21 32.66,34.47 32.62,34.73 32.61,35 32.63,35.27 32.68,35.53 32.76,35.78 32.87,36.03 33,36.26 33.15,36.47 33.33,36.67 33.53,36.84 33.75,36.99 33.98,37.11 34.23,37.21 34.48,37.28 34.74,37.31 35,37.32 35.26,37.31 35.52,37.26 35.76,37.18 36,37.08 36.23,36.95 36.43,36.8 36.62,36.62 36.79,36.43 36.93,36.22 37.05,35.99 37.15,35.75 37.21,35.51 37.25,35.25 37.26,35 37.24,34.75 37.2,34.5 37.12,34.26 37.02,34.03 36.9,33.81 36.75,33.61 36.58,33.42 36.39,33.26 36.18,33.12 35.96,33 35.73,32.91 35.49,32.85 35.25,32.81 35,32.8 34.74,32.82 34.48,32.87 34.22,32.96 33.99,33.07 33.76,33.21 33.56,33.37 33.38,33.56 33.22,33.77 33.09,34 32.99,34.24 32.92,34.49 32.87,34.74 32.86,35 32.88,35.26 32.93,35.51 33.01,35.75 33.12,35.98 33.26,36.2 33.42,36.4 33.6,36.57 33.81,36.73 34.03,36.85 34.26,36.95 34.5,37.02 34.75,37.06 35,37.07 35.25,37.06 35.49,37.01 35.73,36.93 35.96,36.82 36.17,36.69 36.36,36.53 36.53,36.35 36.68,36.16 36.8,35.94 36.9,35.72 36.96,35.48 37,35.24 37.01,35 36.99,34.76 36.94,34.52 36.87,34.29 36.76,34.07 36.64,33.87 36.48,33.68 36.31,33.52 36.12,33.38 35.92,33.26 35.7,33.16 35.47,33.1 35.24,33.06 35,33.05 34.75,33.07 34.5,33.13 34.26,33.21 34.04,33.33 33.83,33.47 33.64,33.64 33.48,33.84 33.35,34.05 33.24,34.27 33.17,34.51 33.12,34.75 33.11,35 33.13,35.25 33.19,35.49 33.27,35.72 33.38,35.93 33.52,36.13 33.69,36.31 33.87,36.47 34.08,36.6 34.3,36.7 34.52,36.77 34.76,36.81 35,36.82 35.24,36.8 35.47,36.75 35.69,36.67 35.9,36.56 36.1,36.43 36.27,36.27 36.42,36.09 36.54,35.89 36.64,35.68 36.71,35.46 36.75,35.23 36.76,35 36.74,34.77 36.69,34.55 36.61,34.33 36.51,34.13 36.38,33.94 36.22,33.78 36.05,33.63 35.86,33.51 35.66,33.41 35.44,33.35 35.22,33.31 35,33.3 34.76,33.32 34.52,33.38 34.3,33.47 34.09,33.59 33.91,33.74 33.74,33.91 33.6,34.1 33.49,34.31 33.42,34.54 33.37,34.77 33.36,35 33.38,35.23 33.44,35.46 33.53,35.67 33.64,35.87 33.78,36.05 33.95,36.21 34.14,36.34 34.34,36.45 34.55,36.52 34.78,36.56 35,36.57 35.22,36.55 35.44,36.5 35.65,36.42 35.84,36.31 36.01,36.17 36.16,36.01 36.29,35.83 36.39,35.64 36.46,35.43 36.5,35.22 36.51,35 36.49,34.79 36.44,34.58 36.36,34.38 36.25,34.19 36.12,34.03 35.97,33.88 35.8,33.76 35.61,33.67 35.41,33.6 35.21,33.56 35,33.55 35,33.6 34.63,33.97 34.59,33.98 ; v1(35.35,15) 35,15.35 35,15.55 34.68,15.56 34.37,15.6 34.06,15.66 33.75,15.74 33.45,15.84 33.16,15.97 32.88,16.11 32.61,16.28 32.35,16.46 32.1,16.66 31.88,16.88 31.66,17.11 31.47,17.36 31.29,17.62 31.13,17.89 30.99,18.17 30.88,18.46 30.78,18.76 30.7,19.07 30.65,19.37 30.62,19.69 30.61,20 30.63,20.31 30.66,20.62 30.72,20.93 30.8,21.23 30.9,21.53 31.02,21.82 31.17,22.09 31.33,22.36 31.51,22.61 31.71,22.85 31.92,23.08 32.15,23.29 32.39,23.48 32.65,23.66 32.92,23.81 33.2,23.95 33.48,24.07 33.78,24.16 34.08,24.23 34.38,24.29 34.69,24.32 35,24.32 35.31,24.31 35.61,24.28 35.92,24.22 36.22,24.14 36.51,24.04 36.79,23.92 37.06,23.78 37.33,23.62 37.58,23.44 37.81,23.25 38.04,23.04 38.24,22.81 38.43,22.57 38.6,22.32 38.76,22.05 38.89,21.78 39.01,21.49 39.1,21.2 39.17,20.91 39.22,20.61 39.25,20.3 39.26,20 39.25,19.7 39.21,19.39 39.16,19.1 39.08,18.8 38.98,18.52 38.86,18.24 38.72,17.97 38.57,17.71 38.39,17.46 38.2,17.23 37.99,17.01 37.77,16.8 37.53,16.62 37.28,16.45 37.02,16.3 36.75,16.16 36.47,16.05 36.19,15.96 35.89,15.89 35.6,15.84 35.3,15.81 35,15.8 34.69,15.81 34.37,15.85 34.07,15.91 33.77,16 33.47,16.1 33.19,16.23 32.91,16.38 32.65,16.55 32.4,16.74 32.16,16.94 31.95,17.17 31.74,17.4 31.56,17.66 31.4,17.92 31.26,18.2 31.13,18.48 31.03,18.78 30.96,19.08 30.9,19.38 30.87,19.69 30.86,20 30.88,20.31 30.91,20.62 30.97,20.92 31.06,21.22 31.16,21.51 31.29,21.79 31.43,22.06 31.6,22.32 31.79,22.56 31.99,22.79 32.21,23.01 32.44,23.21 32.69,23.39 32.95,23.55 33.22,23.69 33.51,23.81 33.8,23.91 34.09,23.98 34.39,24.04 34.7,24.07 35,24.07 35.3,24.06 35.61,24.02 35.9,23.96 36.2,23.88 36.48,23.78 36.76,23.66 37.03,23.51 37.28,23.35 37.52,23.17 37.75,22.97 37.96,22.75 38.16,22.52 38.33,22.27 38.49,22.02 38.63,21.75 38.75,21.47 38.85,21.19 38.92,20.89 38.97,20.6 39,20.3 39.01,20 39,19.7 38.96,19.4 38.9,19.11 38.82,18.82 38.72,18.54 38.6,18.27 38.46,18 38.3,17.75 38.12,17.51 37.92,17.29 37.71,17.08 37.48,16.89 37.24,16.72 36.99,16.56 36.72,16.43 36.45,16.31 36.17,16.21 35.88,16.14 35.59,16.09 35.3,16.06 35,16.05 34.69,16.07 34.38,16.1 34.08,16.17 33.78,16.26 33.49,16.37 33.22,16.5 32.95,16.65 32.69,16.82 32.45,17.02 32.23,17.23 32.02,17.46 31.83,17.7 31.67,17.96 31.52,18.23 31.39,18.51 31.29,18.79 31.21,19.09 31.15,19.39 31.12,19.69 31.11,20 31.13,20.3 31.17,20.61 31.23,20.91 31.31,21.2 31.42,21.48 31.55,21.76 31.7,22.02 31.88,22.27 32.07,22.51 32.27,22.73 32.5,22.93 32.74,23.11 32.99,23.28 33.25,23.42 33.53,23.55 33.81,23.65 34.1,23.73 34.4,23.78 34.7,23.82 35,23.82 35.3,23.81 35.6,23.77 35.89,23.71 36.18,23.63 36.46,23.52 36.73,23.39 36.99,23.24 37.23,23.07 37.47,22.89 37.68,22.68 37.88,22.46 38.06,22.23 38.23,21.98 38.37,21.72 38.49,21.45 38.59,21.17 38.67,20.88 38.72,20.59 38.75,20.3 38.76,20 38.75,19.71 38.71,19.41 38.65,19.12 38.57,18.84 38.46,18.57 38.34,18.3 38.19,18.05 38.02,17.8 37.84,17.57 37.64,17.36 37.42,17.17 37.19,16.99 36.94,16.83 36.69,16.69 36.42,16.57 36.15,16.47 35.87,16.39 35.58,16.34 35.29,16.31 35,16.3 34.69,16.32 34.39,16.36 34.09,16.42 33.8,16.51 33.52,16.63 33.25,16.76 32.99,16.92 32.74,17.1 32.51,17.3 32.3,17.52 32.11,17.75 31.94,18 31.78,18.26 31.65,18.53 31.55,18.81 31.46,19.1 31.41,19.4 31.37,19.7 31.36,20 31.38,20.3 31.42,20.6 31.48,20.89 31.57,21.18 31.68,21.45 31.82,21.72 31.97,21.98 32.15,22.22 32.35,22.44 32.56,22.65 32.79,22.84 33.03,23.01 33.29,23.16 33.56,23.29 33.83,23.39 34.12,23.48 34.41,23.53 34.7,23.57 35,23.57 35.29,23.56 35.59,23.52 35.88,23.46 36.16,23.37 36.43,23.26 36.69,23.13 36.94,22.97 37.18,22.8 37.4,22.61 37.61,22.4 37.79,22.17 37.96,21.93 38.11,21.68 38.23,21.42 38.33,21.14 38.41,20.86 38.47,20.58 38.5,20.29 38.51,20 38.5,19.71 38.46,19.42 38.4,19.14 38.31,18.86 38.2,18.6 38.07,18.34 37.92,18.09 37.75,17.86 37.56,17.64 37.36,17.44 37.14,17.26 36.9,17.09 36.65,16.95 36.39,16.83 36.12,16.72 35.85,16.65 35.57,16.59 35.29,16.56 35,16.55 34.7,16.57 34.4,16.61 34.11,16.68 33.82,16.77 33.55,16.89 33.29,17.03 33.04,17.19 32.8,17.38 32.58,17.58 32.38,17.8 32.21,18.04 32.05,18.3 31.91,18.56 31.8,18.84 31.72,19.12 31.66,19.41 31.62,19.7 31.61,20 31.63,20.29 31.67,20.59 31.74,20.87 31.83,21.15 31.95,21.42 32.08,21.68 32.25,21.93 32.43,22.16 32.63,22.37 32.84,22.57 33.08,22.74 33.33,22.9 33.59,23.03 33.86,23.14 34.14,23.22 34.42,23.28 34.71,23.32 35,23.32 35.29,23.31 35.58,23.27 35.86,23.2 36.13,23.11 36.4,23 36.65,22.86 36.89,22.7 37.12,22.53 37.33,22.33 37.52,22.11 37.69,21.89 37.84,21.64 37.97,21.39 38.08,21.12 38.16,20.85 38.22,20.57 38.25,20.28 38.26,20 38.25,19.72 38.21,19.43 38.14,19.16 38.05,18.89 37.94,18.63 37.81,18.38 37.65,18.14 37.48,17.92 37.28,17.72 37.07,17.53 36.85,17.36 36.61,17.21 36.36,17.08 36.1,16.98 35.83,16.9 35.56,16.84 35.28,16.81 35,16.8 34.71,16.82 34.41,16.86 34.13,16.93 33.85,17.03 33.58,17.15 33.33,17.3 33.09,17.47 32.86,17.66 32.66,17.87 32.48,18.09 32.31,18.34 32.17,18.59 32.06,18.86 31.97,19.14 31.91,19.42 31.87,19.71 31.86,20 31.88,20.29 31.92,20.58 31.99,20.86 32.09,21.13 32.21,21.39 32.35,21.64 32.52,21.88 32.7,22.09 32.91,22.29 33.13,22.47 33.37,22.63 33.62,22.77 33.88,22.88 34.16,22.97 34.43,23.03 34.72,23.07 35,23.07 35.28,23.06 35.56,23.02 35.84,22.95 36.11,22.85 36.36,22.74 36.61,22.6 36.84,22.43 37.05,22.25 37.25,22.05 37.42,21.83 37.58,21.6 37.71,21.35 37.82,21.09 37.91,20.83 37.97,20.55 38,20.28 38.01,20 38,19.72 37.95,19.45 37.89,19.18 37.8,18.92 37.68,18.67 37.54,18.43 37.38,18.2 37.2,17.99 37.01,17.8 36.79,17.63 36.56,17.47 36.32,17.34 36.07,17.24 35.81,17.15 35.54,17.09 35.27,17.06 35,17.05 34.71,17.07 34.43,17.11 34.15,17.19 33.88,17.29 33.62,17.42 33.37,17.57 33.15,17.74 32.94,17.94 32.75,18.15 32.58,18.38 32.44,18.63 32.32,18.89 32.23,19.16 32.16,19.44 32.12,19.72 32.11,20 32.13,20.28 32.18,20.56 32.25,20.83 32.35,21.1 32.47,21.35 32.62,21.59 32.79,21.81 32.98,22.02 33.19,22.2 33.42,22.37 33.66,22.51 33.91,22.62 34.18,22.71 34.45,22.78 34.72,22.82 35,22.82 35.28,22.81 35.55,22.76 35.82,22.69 36.08,22.6 36.32,22.47 36.56,22.33 36.77,22.16 36.98,21.98 37.16,21.77 37.32,21.55 37.45,21.31 37.57,21.06 37.65,20.81 37.72,20.54 37.75,20.27 37.76,20 37.75,19.73 37.7,19.46 37.63,19.2 37.54,18.95 37.42,18.71 37.28,18.48 37.11,18.26 36.93,18.07 36.73,17.89 36.51,17.74 36.28,17.6 36.04,17.49 35.79,17.41 35.53,17.34 35.27,17.31 35,17.3 34.72,17.32 34.44,17.37 34.17,17.44 33.91,17.55 33.66,17.68 33.43,17.84 33.21,18.02 33.02,18.22 32.85,18.44 32.7,18.67 32.58,18.92 32.48,19.18 32.41,19.45 32.37,19.72 32.36,20 32.38,20.28 32.43,20.55 32.5,20.81 32.61,21.07 32.73,21.31 32.89,21.54 33.06,21.75 33.26,21.94 33.47,22.1 33.7,22.25 33.95,22.37 34.2,22.46 34.46,22.53 34.73,22.57 35,22.57 35.27,22.56 35.53,22.51 35.79,22.44 36.04,22.34 36.28,22.21 36.5,22.06 36.7,21.89 36.89,21.7 37.05,21.49 37.19,21.27 37.31,21.03 37.4,20.78 37.47,20.52 37.5,20.26 37.51,20 37.49,19.74 37.45,19.48 37.38,19.23 37.28,18.98 37.16,18.75 37.01,18.54 36.85,18.34 36.66,18.16 36.45,18 36.24,17.86 36,17.75 35.76,17.66 35.51,17.6 35.26,17.56 35,17.55 34.73,17.57 34.46,17.62 34.2,17.7 33.94,17.81 33.71,17.94 33.49,18.11 33.29,18.29 33.11,18.49 32.96,18.72 32.83,18.96 32.73,19.21 32.66,19.47 32.62,19.73 32.61,20 32.63,20.27 32.68,20.53 32.76,20.78 32.87,21.03 33,21.26 33.15,21.47 33.33,21.67 33.53,21.84 33.75,21.99 33.98,22.11 34.23,22.21 34.48,22.28 34.74,22.31 35,22.32 35.26,22.31 35.52,22.26 35.76,22.18 36,22.08 36.23,21.95 36.43,21.8 36.62,21.62 36.79,21.43 36.93,21.22 37.05,20.99 37.15,20.75 37.21,20.51 37.25,20.25 37.26,20 37.24,19.75 37.2,19.5 37.12,19.26 37.02,19.03 36.9,18.81 36.75,18.61 36.58,18.42 36.39,18.26 36.18,18.12 35.96,18 35.73,17.91 35.49,17.85 35.25,17.81 35,17.8 34.74,17.82 34.48,17.87 34.22,17.96 33.99,18.07 33.76,18.21 33.56,18.37 33.38,18.56 33.22,18.77 33.09,19 32.99,19.24 32.92,19.49 32.87,19.74 32.86,20 32.88,20.26 32.93,20.51 33.01,20.75 33.12,20.98 33.26,21.2 33.42,21.4 33.6,21.57 33.81,21.73 34.03,21.85 34.26,21.95 34.5,22.02 34.75,22.06 35,22.07 35.25,22.06 35.49,22.01 35.73,21.93 35.96,21.82 36.17,21.69 36.36,21.53 36.53,21.35 36.68,21.16 36.8,20.94 36.9,20.72 36.96,20.48 37,20.24 37.01,20 36.99,19.76 36.94,19.52 36.87,19.29 36.76,19.07 36.64,18.87 36.48,18.68 36.31,18.52 36.12,18.38 35.92,18.26 35.7,18.16 35.47,18.1 35.24,18.06 35,18.05 34.75,18.07 34.5,18.13 34.26,18.21 34.04,18.33 33.83,18.47 33.64,18.64 33.48,18.84 33.35,19.05 33.24,19.27 33.17,19.51 33.12,19.75 33.11,20 33.13,20.25 33.19,20.49 33.27,20.72 33.38,20.93 33.52,21.13 33.69,21.31 33.87,21.47 34.08,21.6 34.3,21.7 34.52,21.77 34.76,21.81 35,21.82 35.24,21.8 35.47,21.75 35.69,21.67 35.9,21.56 36.1,21.43 36.27,21.27 36.42,21.09 36.54,20.89 36.64,20.68 36.71,20.46 36.75,20.23 36.76,20 36.74,19.77 36.69,19.55 36.61,19.33 36.51,19.13 36.38,18.94 36.22,18.78 36.05,18.63 35.86,18.51 35.66,18.41 35.44,18.35 35.22,18.31 35,18.3 34.76,18.32 34.52,18.38 34.3,18.47 34.09,18.59 33.91,18.74 33.74,18.91 33.6,19.1 33.49,19.31 33.42,19.54 33.37,19.77 33.36,20 33.38,20.23 33.44,20.46 33.53,20.67 33.64,20.87 33.78,21.05 33.95,21.21 34.14,21.34 34.34,21.45 34.55,21.52 34.78,21.56 35,21.57 35.22,21.55 35.44,21.5 35.65,21.42 35.84,21.31 36.01,21.17 36.16,21.01 36.29,20.83 36.39,20.64 36.46,20.43 36.5,20.22 36.51,20 36.49,19.79 36.44,19.58 36.36,19.38 36.25,19.19 36.12,19.03 35.97,18.88 35.8,18.76 35.61,18.67 35.41,18.6 35.21,18.56 35,18.55 35,18.6 34.63,18.97 34.59,18.98